# Altium PCB Telemetry Module PCB.PcbDoc (part 2 of 2)
Units mil, origin at the board's own origin, x right, y up, seen from the top; angles counter-clockwise.
Board outline 3149.61 x 3149.61 mil, 2 copper layers (Top Layer, Bottom Layer); 76 components, 75 nets, 422 pads, 173 vias.
Unrouted connection lines stored in the file: 86.
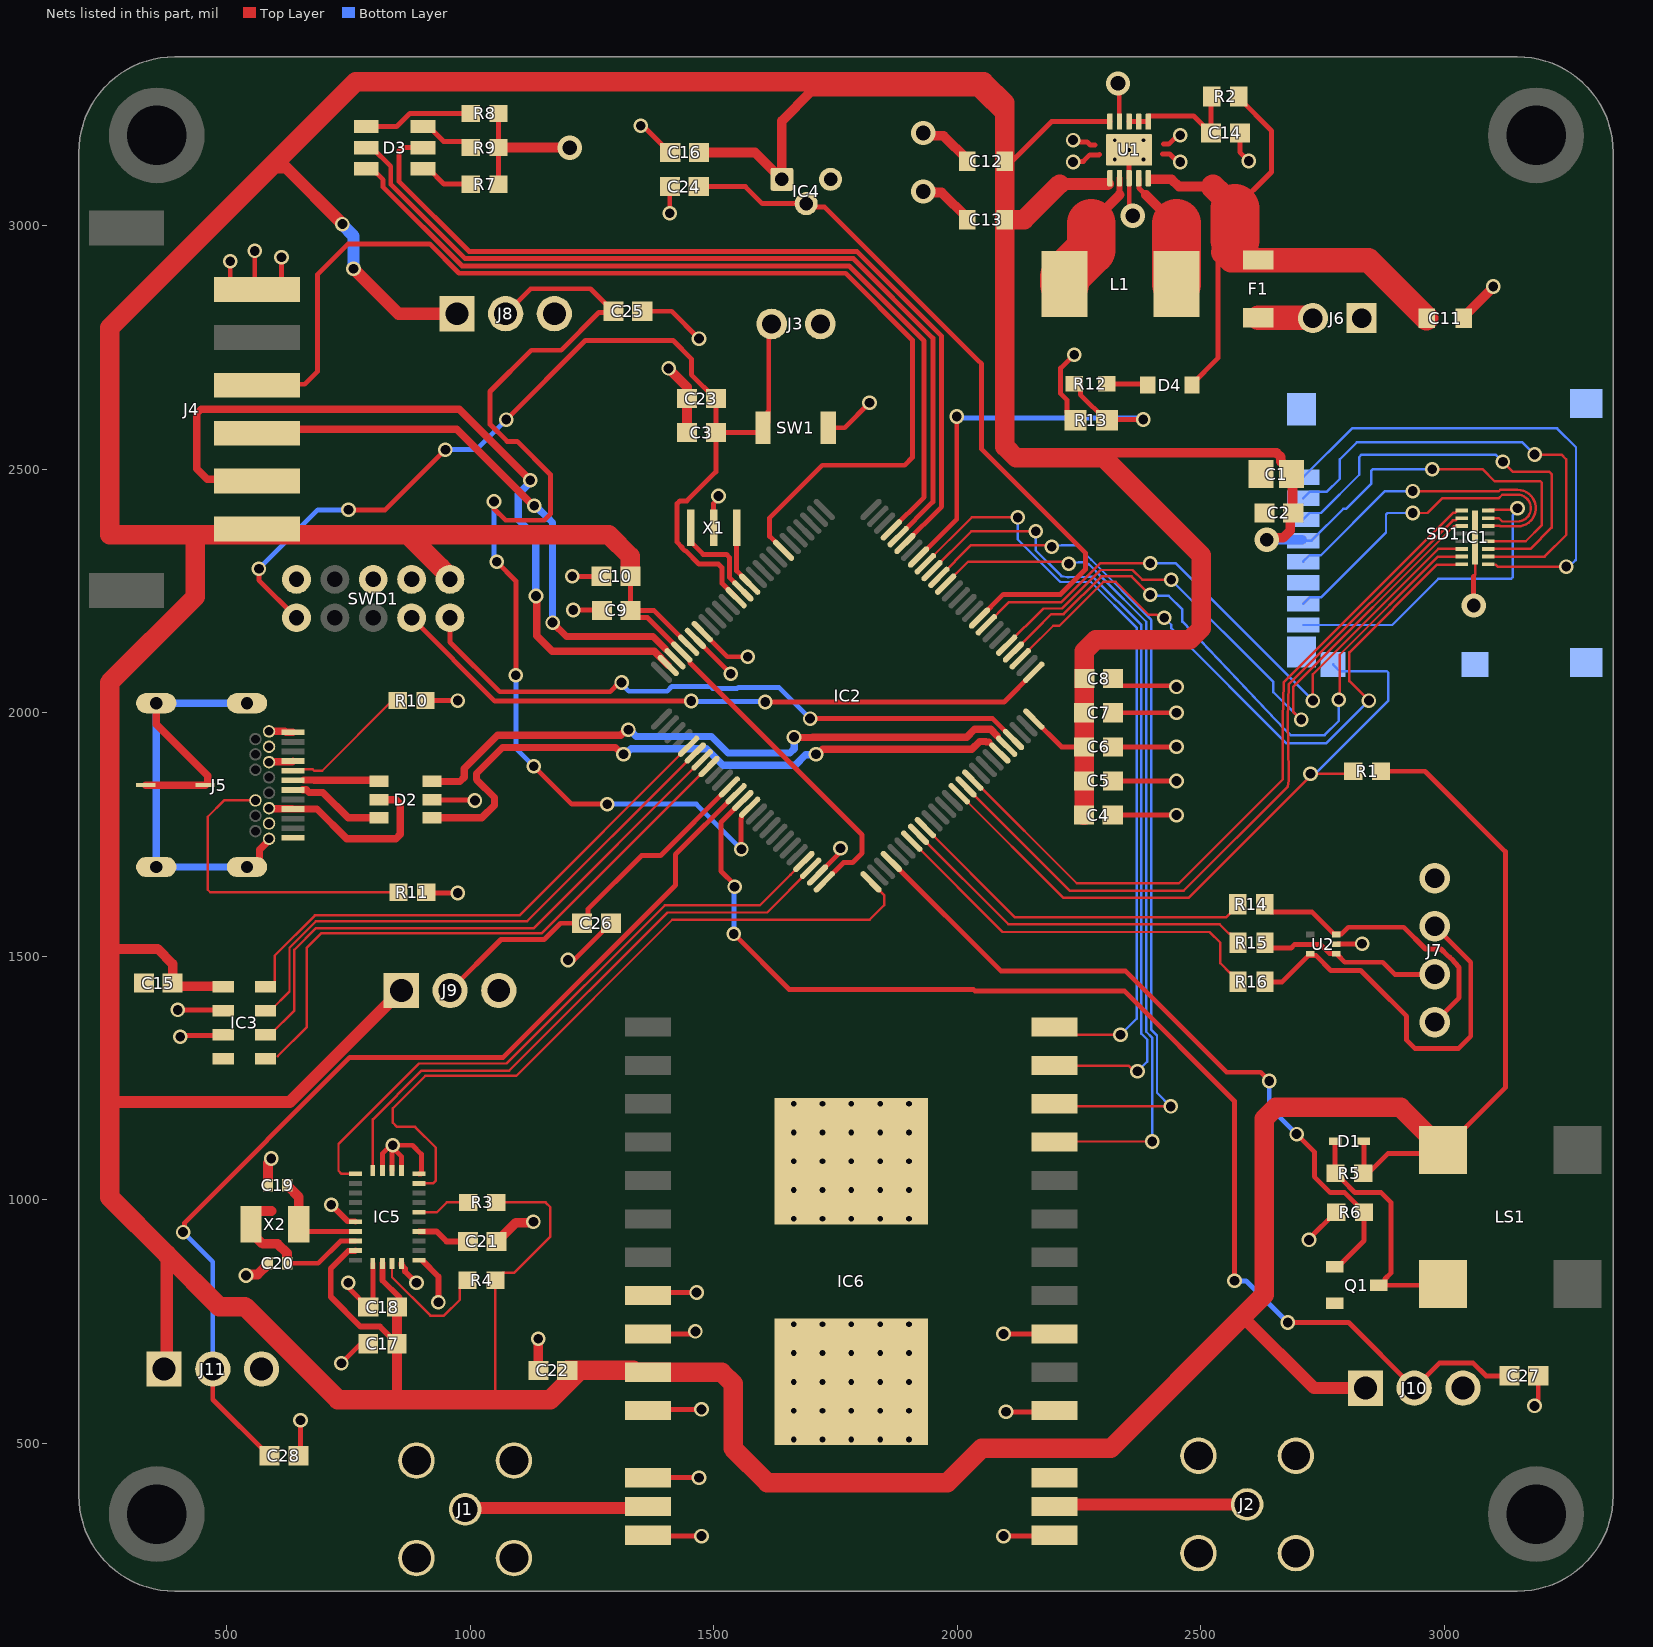
[diagram p2: the nets of this part, all layers, seen from the top]

## Via types
v1: diameter 30, hole 20, Top Layer to Bottom Layer, 111 vias
v2: diameter 19.68, hole 11.81, Top Layer to Bottom Layer, 50 vias
v3: diameter 50, hole 30, Top Layer to Bottom Layer, 5 vias
v4: diameter 19.68, hole 7.87, Top Layer to Bottom Layer, 5 vias
v5: diameter 50, hole 28, Top Layer to Bottom Layer, 2 vias

## Nets (pads, with @x,y where several pads share a name; then routed paths per layer and width w, separated by ;. In a path a pad name is that pad's centre, name@x,y a point inside that pad or via, vN(x,y) a via of type N, cw(c..) or ccw(c..) an arc to the next point about the centre after c; other vN are vias at no path point)
+3V3: C1.2 C2.2 C4.2 C5.2 C6.2 C7.2 C8.2 C9.2 C10.2 C12.2 C13.2 C15.2 C16.2 C17.2 C18.2 C22.2 D1.1 IC1.12 IC2.21 IC2.22 IC2.50 IC2.75 IC3.1 IC4.1 IC5.3 IC5.28 IC6.10 J4.1 J8.1 J9.1 J10.1 J11.1 LS1.1 R1.2 R3.2 R4.2 R5.2 SD1.4 SWD1.1 U1.1 U1.10 | length 19221.3
  Top Layer w5: R3.2@1053.54,995 1155,995 1165,985 1165,925 1090.22,850.22 1067.3,850.22 R4.2@1052.09,835 1052.09,597.91 1060,590 ; v1(2975,2500) 3078.38,2500 3103.38,2475 3197.07,2475 3200,2472.07 3200,2385 3167.01,2352.01 IC1.12@3100,2352.01
  Top Layer w10: C10.2@1329.06,2280 1329.53,2279.53 C9.2@1329.53,2210 ; IC2.21@1448.59,2138.7 1377.29,2210 C9.2@1329.53,2210 ; IC2.50@1726.98,1652.91 1766.79,1692.72 1785.12,1692.72 1804.44,1712.04 1804.44,1749.67 1451.02,2103.08 1451.02,2108.43 IC2.22@1434.67,2124.78 1364.14,2195.31 1344.21,2195.31 C9.2@1329.53,2210 ; C12.2@2100,3120 2193.43,3213.43 U1.10@2313.35,3213.43 ; IC2.75@2157.09,1986.98 2214.07,1930 C6.2@2260.47,1930 ; R5.2@2833.54,1055 2834.53,1055.98 D1.1@2834.53,1120.6 ; R5.2@2838.54,1050 2883.54,1095 2989.41,1095 LS1.1@2997.2,1102.8 3125,1230.59 3125,1715 2960,1880 R1.2@2870,1880
  Top Layer w12: IC5.28@765.04,896.1 763.96,895.02 749.88,895.02 714,859.14 714,801.03 775.03,740 815,740 C17.2@850,705 ; IC5.3@820.16,870.02 820.16,834.84 855,800 855,785 C18.2@850,780
  Top Layer w20: 260,1515 359.06,1515 389.53,1484.53 C15.2@389.53,1445 ; C15.2@380.3,1438.43 IC3.1@490,1438.43 ; 850,590 C17.2@850,705 C18.2@850,780 ; C16.2@1470,3150 1585,3150 IC4.1@1640,3095 1640,3215 1700,3275 2040,3275 2097.64,3217.36 ; 2301,2533.54 2655.31,2533.54 2664.09,2524.76 2664.09,2515.35 2686.5,2492.95 C1.2@2686.5,2490 2688.01,2488.48 2688.01,2408.48 2683.37,2403.85 2683.37,2373.37 2669.05,2359.05 2639.05,2359.05 v5(2635,2355)
  Top Layer w25: 260,1201 630,1201 J9.1@859,1430 ; J11.1@372,653 377.5,658.5 377.5,888.5 ; 589.5,3119.5 621.5,3119.5 v1(738,3003) ; v1(760.86,2911.23) 853.09,2819 J8.1@973,2819 ; 2210,3085 U1.1@2308.88,3085 ; 2585.5,760.5 2732.21,613.79 J10.1@2838,613.79
  Top Layer w40: SWD1.1@958.74,2273.74 958.74,2278.9 939.53,2298.11 939.53,2298.4 872.92,2365 ; C22.2@1199.53,650 1334.68,650 1338.43,646.26 IC6.10@1365.35,646.26 1516.57,646.26 1540,622.83 1540,490 1610,420 1980,420 2050,490 2315,490 2585.5,760.5 2630,805 2630,1166.57 2653.43,1190 2910,1190 LS1.1@2997.2,1102.8 ; 1225,650 1165,590 1060,590 850,590 728.65,590 537.65,781 485,781 377.5,888.5 260,1006 260,1201 260,1515 260,2062 436,2238 436,2365 ; C10.2@1329.06,2280 1328.74,2280.31 1328.74,2321.26 1285,2365 872.92,2365 ; 2210,3085 2137.25,3012.25 C13.2@2097.64,3012.25 ; C4.2@2260,1790 2260.35,1790 2260.94,1790.59 C8.2@2260.94,2070 2260.94,2126.57 2284.38,2150 2477.57,2150 2501,2173.43 2501,2323 2301,2523 2121.07,2523 2097.64,2546.43 C13.2@2097.64,3012.25 ; 436,2365 260,2365 260,2790 589.5,3119.5 765,3295 2054.21,3295 2097.64,3251.57 2097.64,3217.36 C12.2@2097.64,3132.25 C13.2@2097.64,3012.25 ; 436,2365 872.92,2365
  Bottom Layer w5: SD1.4@2708.39,2355 SD1.4@2710,2353.39 2727.32,2353.39 2792.35,2418.42 2798.22,2418.42 2850,2470.2 2850,2497.07 2852.93,2500 v1(2975,2500)
  Bottom Layer w20: v5(2635,2355) SD1.4@2708.39,2355
  Bottom Layer w25: v1(738,3003) 738,3001.65 760.86,2978.78 v1(760.86,2911.23)
+VS: D2.5 J5.4A J5.4B J5.9A J5.9B | length 458.1
  Top Layer w15: J5.4B@587.44,1804.25 588.43,1803.27 635.67,1803.27 J5.9A@636.65,1802.28 686.02,1802.28 746.65,1741.65 847.87,1741.65 856.65,1750.44 856.65,1812.87 847.87,1821.65 D2.5@813.39,1821.65 ; J5.9B@587.44,1898.74 588.43,1899.72 635.67,1899.72 J5.4A@636.65,1900.71
"BATT IN": IC2.93 R12.1 R13.2 | length 861.1
  Top Layer w10: IC2.93@1939.5,2337.5 1999,2397 v1(1999,2608) ; R12.1@2240,2675 2241.97,2675 2252.72,2664.25 2252.72,2652.95 2305.67,2600 R13.2@2307.1,2600 2309.1,2602 v1(2382,2602)
  Bottom Layer w10: v1(1999,2608) 2002,2605 2379,2605 v1(2382,2602)
CLK: IC1.3 IC2.80 | length 1364.7
  Top Layer w5: IC2.80@2101.41,2138.7 2176.71,2214 2215,2214 2294,2293 2360,2293 2380,2273 v1(2439,2273) ; v1(2706,1986) 2692.93,1998.28 2690,2001.21 2690,2005.36 2690,2053.56 3019.14,2382.7 3034.86,2382.7 IC1.3@3035.67,2383.5
  Bottom Layer w5: v1(2439,2273) 2649,2063 2649,2042.14 2678.24,2012.89 2679.11,2012.89 v1(2706,1986)
CMD: IC1.6 IC2.83 | length 1305.8
  Top Layer w5: IC2.83@2059.65,2180.46 2106.19,2227 2213.68,2227 2293.68,2307 v1(2396,2307) ; v1(2730,2025) 2730,2079 2987.26,2336.26 IC1.6@3035.67,2336.26
  Bottom Layer w5: v1(2396,2307) 2448,2307 v1(2730,2025)
D1_N: D2.6 J5.7A | length 181.3
  Top Layer w15: J5.7A@656,1842 663.83,1842 669.49,1836.34 697.65,1836.34 749.73,1784.25 D2.6@813.39,1784.25
D1_P: D2.4 J5.6A | length 156.6
  Top Layer w15: J5.6A@658,1862 679.18,1862 679.84,1861.34 701.34,1861.34 811.1,1861.34 D2.4@813.39,1859.06
D2_N: D2.1 IC2.70 | length 1338.2
  Top Layer w15: D2.1@921.65,1784.25 1024.25,1784.25 1050,1810 1050,1825.96 1013.16,1862.8 1013.16,1875.23 1066.62,1928.68 1298.71,1928.68 1312.39,1915 v1(1315,1915) ; v1(1710,1915) 1714.06,1915 1724.06,1925 2029.99,1925 2045.87,1940.87 2058.29,1940.87 2059.17,1940 2065,1940
  Bottom Layer w15: v1(1315,1915) 1319.06,1915 1330.38,1926.32 1485.4,1926.32 1519.22,1892.5 1667.25,1892.5 1688.36,1913.61 1708.61,1913.61 v1(1710,1915)
D2_P: D2.3 IC2.71 | length 1275.8
  Top Layer w15: D2.3@921.65,1859.06 979.38,1859.06 988.16,1867.84 988.16,1885.58 1056.26,1953.68 1309.62,1953.68 1320.94,1965 v1(1325,1965) ; v1(1665,1950) 1665.81,1949.19 1701.93,1949.19 1702.73,1950 2019.64,1950 2035.51,1965.87 2068.65,1965.87 IC2.71@2082.26,1952.26
  Bottom Layer w15: v1(1325,1965) 1327.61,1965 1341.29,1951.32 1495.76,1951.32 1529.58,1917.5 1656.89,1917.5 1665.68,1926.29 1665.68,1949.32 v1(1665,1950)
DAT0: IC1.2 IC2.65 | length 1543.7
  Top Layer w5: IC2.65@2017.89,1847.78 2230.68,1635 2465,1635 2678.54,1848.54 2680,1860.86 2680,1873.28 2678.5,1985.54 2678.5,1985.99 cw(c2706,1986) 2678.51,1986.58 2680,2057.71 3017.23,2394.94 3022.45,2394.94 3022.5,2394.94 3026.81,2399.25 IC1.2@3035.67,2399.25
DAT1: IC1.1 IC2.66 | length 1523.1
  Top Layer w5: IC2.66@2031.81,1861.7 2033.66,1861.7 2245.36,1650 2455,1650 2668.54,1863.54 2668.54,1867.68 2668.5,1985.94 cw(c2706,1986) 2668.51,1986.82 2670,2061.85 3018.84,2410.69 3022.45,2410.69 3022.5,2410.69 3026.81,2415 IC1.1@3035.67,2415
DAT2: IC1.8 IC2.78 | length 1404.8
  Top Layer w5: v1(2424.86,2195) 2420.08,2199.78 2410.65,2199.78 2409.43,2201 2393,2201 2325,2269 2300,2269 2209.61,2178.61 2197,2178.61 IC2.78@2146.56,2128.17 ; v1(2845,2025) 2805,2065 2805,2124 2985.05,2304.05 3034.95,2304.05 IC1.8@3035.67,2304.76 ; IC2.78@2146.56,2128.17 IC2.78@2129.25,2110.86 IC2.78@2146.56,2128.17
  Bottom Layer w5: v1(2424.86,2195) 2439.12,2180.74 2439.12,2173.88 2676,1937 2757,1937 v1(2845,2025)
DAT3: IC1.7 IC2.79 | length 1367.9
  Top Layer w5: IC2.79@2115.33,2124.78 2159.69,2169.14 2193,2202.45 2218.45,2202.45 2296,2280 2358,2280 v1(2396,2242) ; v1(2783.05,2026.95) 2785,2028.89 2785,2119 2986.51,2320.51 IC1.7@3035.67,2320.51
  Bottom Layer w5: v1(2396,2242) 2397.75,2240.25 2433.75,2240.25 2462,2212 2462,2187.15 2673,1965 2684,1954 2754,1954 2783.05,1983.05 v1(2783.05,2026.95)
GND: C1.1 C2.1 C3.1 C4.1 C5.1 C6.1 C7.1 C8.1 C9.1 C10.1 C11.1 C12.1 C13.1 C14.1 C15.1 C16.1 C17.1 C18.1 C19.1 C20.1 C21.1 C22.1 C23.1 C24.1 C25.1 C26.1 C27.1 C28.1 D2.2 IC1.17 IC2.19 IC2.20 IC2.49 IC3.2 IC3.3 IC4.3 IC5.2 IC5.5 IC5.6 IC5.15 IC5.16 IC5.17 IC5.18 IC5.25 IC6.8 IC6.9 IC6.11 IC6.12 IC6.14 IC6.15 IC6.17 IC6.18 IC6.20 IC6.29 IC6.30 J1.2 J2.2 J3.1 J4.6 J6.1 J7.4 J8.3 J9.3 J10.3 J11.3 Q1.2 R6.1 R7.2 R8.2 R9.2 R10.1 R11.1 R13.1 SD1.6 SD1.10 SD1.11 SD1.12 SD1.13 SD1.14 SW1.2 SWD1.3 SWD1.5 SWD1.9 U1.3 U1.9 U1.11 U2.2 X1.2 | length 5967.5
  Top Layer w5: 3060,2280 3062.83,2282.83 IC1.17@3062.83,2359.88
  Top Layer w10: v1(400,1390) 400.39,1389.61 489.61,1389.61 IC3.2@490,1389.21 ; v1(405,1335) 407.5,1337.5 487.5,1337.5 IC3.3@490,1340 ; v1(507.78,2926.72) 507.78,2889.61 528.37,2869.02 J4.6@562.72,2869.02 ; v1(558,2948) 558,2873.73 J4.6@562.72,2869.02 ; v1(613,2935) 613,2889.61 592.41,2869.02 J4.6@562.72,2869.02 ; C28.1@647.53,475 652,479.47 v1(652,548) ; v1(735.97,665.03) 775.95,705 C17.1@790.94,705 ; v1(750,830) 753.83,826.17 753.83,816.13 789.96,780 C18.1@790.94,780 800.47,789.53 IC5.2@800.47,870.02 ; IC5.18@820.16,1059.98 820.16,1094.84 820,1095 837.27,1112.27 v1(841.47,1112.27) ; IC5.17@839.84,1059.98 839.92,1060.06 839.92,1110.73 v1(841.47,1112.27) ; IC5.16@859.53,1059.98 859.53,1088.8 841.47,1106.86 v1(841.47,1112.27) ; IC5.15@895.45,1053.58 899.92,1053.58 900,1053.66 900,1094.14 881.87,1112.27 v1(841.47,1112.27) ; R10.1@908.54,2025 v1(975,2025) ; R11.1@910.2,1631.65 911.85,1630 v1(975,1630) ; D2.2@921.65,1821.65 922.48,1820.83 1009.17,1820.83 v1(1010,1820) ; R7.2@1058.54,3085 R9.2@1058.54,3160 R8.2@1058.54,3230 R8.2@1060,3231.46 ; v1(1201.03,1492.61) 1213.61,1492.61 C26.1@1289,1568 ; v1(1210,2280) C10.1@1270,2280 ; v1(1212,2211) 1269.47,2211 C9.1@1270.47,2210 ; v1(1350.47,3205) 1354.96,3205 1409.96,3150 C16.1@1410.94,3150 ; C25.1@1353.53,2824 1413.85,2824 v1(1469.85,2768.01) ; IC6.14@1365.35,311.61 1366.97,310 v1(1475,310) ; IC6.12@1365.35,429.72 1365.63,430 v1(1470,430) ; IC6.11@1365.35,567.52 1367.83,570 v1(1475,570) ; IC6.9@1365.35,725 1457.39,725 v1(1462.56,730.18) ; IC6.8@1365.35,803.74 1371.61,810 v1(1465,810) ; v1(1410,3025) 1410,3079.53 C24.1@1410.47,3080 ; IC2.20@1462.51,2152.62 IC2.20@1462.51,2152.62 1535,2080.06 v1(1535,2080) ; IC2.19@1476.43,2166.54 1527.97,2115 v1(1570,2115) ; X1.2@1500,2380 1500,2429.9 1510,2439.9 v1(1510,2445) ; IC2.49@1713.06,1666.83 1756.49,1710.26 1756.49,1718.19 v1(1760.32,1722.02) ; SW1.2@1735,2585 1768.89,2585 v1(1819.98,2636.1) ; v1(2095,310) 2198.39,310 IC6.15@2200,311.61 ; v1(2095,725) IC6.20@2200,725 ; v1(2100,565) 2197.48,565 IC6.18@2200,567.52 ; v1(2237.72,3130.35) 2238.93,3131.57 2258.93,3131.57 2272.36,3145 2291.18,3145 2291.7,3145.51 ; v1(2237.72,3175.35) 2241.55,3171.53 2266.96,3171.53 2273.13,3165.35 2282.72,3165.35 ; v1(2240,2735) 2212.28,2707.28 2212.28,2655.11 2225.55,2641.84 2225.55,2615.91 2241.46,2600 R13.1@2242.9,2600 ; C4.1@2319.06,1790 v1(2450,1790) ; C5.1@2319.53,1860 v1(2450,1860) ; C6.1@2319.53,1930 v1(2450,1930) ; C7.1@2319.53,2000 v1(2450,2000) ; C8.1@2320,2070 2334.69,2055.31 2447.69,2055.31 v1(2450,2053) ; v3(2329.99,3291.7) 2332.52,3289.17 2332.52,3213.94 U1.9@2333.03,3213.43 ; v4(2352.72,3155.35) U1.3@2352.72,3097.28 2353.03,3096.97 2353.03,3026.97 v3(2360,3020) ; 2421.26,3146.78 2435.88,3146.78 2452.31,3130.35 v1(2457.72,3130.35) ; 2423.53,3167.25 2434.2,3167.25 2452.31,3185.35 v1(2457.72,3185.35) ; C14.1@2580,3190 2580,3150.77 v1(2598.3,3132.47) ; v1(2722,918) 2722,920.07 2776.93,975 R6.1@2777.91,975 ; U2.2@2781.43,1525 2781.43,1525.5 2830.5,1525.5 v1(2831,1526) ; v5(3060,2220) 3060,2280 ; v1(3184.94,577.31) 3184.94,582.72 3192.53,590.31 C27.1@3192.53,639
  Top Layer w12: v1(715,990) 748.76,956.24 763.96,956.24 IC5.25@765.04,955.16 ; IC5.5@859.53,870.02 859.53,865.78 866.67,858.64 866.67,853.33 v1(890,830) ; IC5.6@902.74,875.34 935,843.08 v1(935,790)
  Top Layer w20: v1(540,845) 541.91,846.91 564.2,846.91 585.32,868.03 C20.1@585.32,870 ; C19.1@585.32,1030 585.32,1075.61 592,1082.29 v1(592,1085) ; C21.1@1054.53,915 1055.51,915 1093.6,953.09 1128.09,953.09 v1(1130,955) ; R9.2@1058.54,3160 v3(1205,3160) ; v1(1140,715) 1140.24,714.76 1140.24,650.24 C22.1@1140.47,650 ; v1(1407.5,2706.81) 1445.47,2668.84 C23.1@1445.47,2645 C3.1@1445.47,2575 ; v3(1930,3190) 1935.74,3184.26 1971.82,3184.26 2020.87,3135.21 C12.1@2020.87,3132.25 ; v3@1950,3070 1951.91,3068.09 1967.99,3068.09 2020.87,3015.21 C13.1@2020.87,3012.25 ; C11.1@3040,2810 3040,2812.95 3100,2872.95 v1(3100,2875)
  other v2: 1664.57,508.46 1723.62,508.46 1782.68,508.46 1841.73,508.46 1900.79,508.46 1664.57,567.52 1723.62,567.52 1782.68,567.52 1841.73,567.52 1900.79,567.52 1664.57,626.57 1723.62,626.57 1782.68,626.57 1841.73,626.57 1900.79,626.57 1664.57,685.63 1723.62,685.63 1782.68,685.63 1841.73,685.63 1900.79,685.63 1664.57,744.68 1723.62,744.68 1782.68,744.68 1841.73,744.68 1900.79,744.68 1664.57,961.22 1723.62,961.22 1782.68,961.22 1841.73,961.22 1900.79,961.22 1664.57,1020.28 1723.62,1020.28 1782.68,1020.28 1841.73,1020.28 1900.79,1020.28 1664.57,1079.33 1723.62,1079.33 1782.68,1079.33 1841.73,1079.33 1900.79,1079.33 1664.57,1138.39 1723.62,1138.39 1782.68,1138.39 1841.73,1138.39 1900.79,1138.39 1664.57,1197.44 1723.62,1197.44 1782.68,1197.44 1841.73,1197.44 1900.79,1197.44
  other v3: 1930,3070
  other v4: 2323.19,3135.67 2382.25,3135.67 2323.19,3175.04 2382.25,3175.04
NetC3_2: C3.2 C23.2 IC2.14 J3.2 SW1.1 SWD1.10 | length 2178.7
  Top Layer w10: v1(566.58,2295.76) 566.58,2272.2 SWD1.10@643.78,2195 ; v1(750.47,2416.52) 825.94,2416.52 v1(949.45,2540.02) ; v1(1074.32,2601.77) 1236.55,2764 1417,2764 1454.39,2726.61 1454.39,2694.15 1503.54,2645 C23.2@1504.53,2645 C3.2@1504.53,2575 ; IC2.14@1546.03,2236.14 1546.03,2236.63 1517.07,2265.58 1517.07,2297.93 1510,2305 1470,2305 1442.4,2332.6 1440.74,2332.6 1434.88,2338.46 1434.88,2340.12 1425,2350 1425,2429.14 1430.86,2435 1445,2435 1504.53,2494.53 C3.2@1504.53,2575 ; J3.2@1619,2798 1613,2792 1613,2619.32 1611.89,2618.21 1611.89,2595.75 1591.14,2575 C3.2@1504.53,2575
  Bottom Layer w10: v1(566.58,2295.76) 687.34,2416.52 v1(750.47,2416.52) ; v1(949.45,2540.02) 1012.57,2540.02 v1(1074.32,2601.77)
NetC11_2: C11.2 D4.2 F1.2 R2.2 U1.5 | length 1363.8
  Top Layer w10: D4.2@2481.75,2672.52 2481.75,2674.49 2535,2727.73 2535,2934.9 2545.55,2945.45 2570,2969.9 ; 2570,3035 2645,3110 2645,3194.61 2577.56,3262.05 R2.2@2577.56,3265
  Top Layer w20: 2400,3095 2440,3095 2455,3080 2525,3080 ; 2540.81,3064.19 2570,3035
  Top Layer w50: 2525,3080 2540.81,3064.19 ; 2545.55,2945.45 2561.95,2929.05 F1.2@2618,2929.06 ; 2570,2969.9 2575.97,2969.9 ; F1.2@2616.82,2929.06 2844.17,2929.06 C11.2@2963.23,2810
  Top Layer w100: 2570,2969.9 2570,3035
NetC14_2: C14.2 R2.1 U1.6 U1.7 U1.8 | length 269.6
  Top Layer w10: U1.8@2352.72,3213.43 U1.7@2372.4,3213.43 U1.6@2392.09,3213.43 2392.09,3224.49 2392.6,3225 2484.96,3225 2519.96,3190 C14.2@2520.94,3190 2520.94,3263.5 R2.1@2522.44,3265
NetC19_2: C19.2 IC5.26 X2.1 | length 213.6
  Top Layer w10: X2.1@648.43,950 662.95,935.47 IC5.26@765.04,935.47
  Top Layer w20: C19.2@624.69,1030 624.69,1028.03 625.32,1027.4 627.28,1027.4 648.43,1006.26 X2.1@648.43,950
NetC20_2: C20.2 IC5.27 X2.2 | length 351.2
  Top Layer w10: C20.2@624.69,870 688.43,870 734.21,915.79 IC5.27@765.04,915.79
  Top Layer w20: 592.4,977.4 561.65,977.4 550,965.75 550,934.25 574.25,910 605,910 624.06,890.94 624.06,870.63 C20.2@624.69,870
NetC21_2: C21.2 IC5.9 | length 108.5
  Top Layer w12: IC5.9@895.45,935.47 931,935.47 951.47,915 C21.2@995.47,915
NetC24_2: C24.2 IC2.84 IC4.2 | length 1500
  Top Layer w10: C24.2@1469.53,3080 1565.06,3080 1600.06,3045 IC4.2@1690,3045 1697.13,3037.87 1728.13,3037.87 2042.38,2723.62 2049.97,2716.03 2049.97,2704.03 ; IC2.84@2045.73,2194.38 2094.35,2243 2212,2243 2263,2294 2263,2328 2050,2541 2050,2704
NetC25_2: C25.2 IC2.39 J8.2 | length 2210.5
  Top Layer w10: v1(1049.15,2433.61) 1049.15,2418.85 1073,2395 1152.43,2395 1165,2407.57 1165,2489 1097,2557 1076,2557 1041,2592 1041,2659.33 1125.67,2744 1187,2744 1264.66,2821.66 1291.15,2821.66 1293.49,2824 1247.27,2870.22 1124.22,2870.22 J8.2@1073,2819 ; v1(1054.71,2309.73) 1094,2270.44 v1(1094,2077) ; v1(1131,1890) 1208.66,1812.34 v1(1281.85,1812.34) ; v1(1557,1720) 1555.87,1721.13 1555.87,1782.69 1557.51,1784.33 1557.51,1789.67 IC2.39@1573.86,1806.03
  Bottom Layer w10: v1(1049.15,2433.61) 1049.15,2315.3 v1(1054.71,2309.73) ; v1(1094,2077) 1094,1927 v1(1131,1890) ; v1(1281.85,1812.34) 1464.66,1812.34 v1(1557,1720)
NetC26_2: C26.2 IC2.36 J9.2 | length 756.1
  Top Layer w10: J9.2@959,1430 1063.5,1534.5 1152.18,1534.5 1185.68,1568 C26.2@1229.94,1568 1241.83,1579.88 1241.83,1596.83 1352.06,1707.06 1391.38,1707.06 IC2.36@1532.11,1847.78
NetC27_2: C27.2 IC2.38 J10.2 | length 2531.7
  Top Layer w10: v1(1541,1546) 1655,1432 2033,1432 2036,1429 2343,1429 2569,1203 v1(2569,834) ; v1(1543,1643) 1543,1646.86 1515,1674.86 1515,1775 IC2.38@1559.94,1819.94 ; v1(2678.11,748.52) 2803.27,748.52 J10.2@2938,613.79 2989.22,665.01 3059.22,665.01 3085.22,639 C27.2@3133.47,639
  Bottom Layer w10: v1(1541,1546) 1542,1547 1542,1642 v1(1543,1643) ; v1(2569,834) 2592.63,834 v1(2678.11,748.52)
NetC28_2: C28.2 IC2.37 J11.2 | length 2087.4
  Top Layer w10: v1(411,934) 414.12,937.12 414.12,953.3 753.32,1292.5 1068,1292.5 1421.74,1646.25 1421.74,1709.58 IC2.37@1546.03,1833.86 ; J11.2@472,653 472,590.49 587.49,475 C28.2@588.47,475
  Bottom Layer w10: v1(411,934) 472,873 J11.2@472,653
NetD1_2: D1.2 LS1.2 Q1.3 R5.1 | length 515.2
  Top Layer w10: D1.2@2775.47,1120.6 2775.47,1055.98 R5.1@2776.46,1055.98 ; R5.1@2776.46,1055 2777.44,1055 2790.16,1042.28 2790.16,1041.3 2816.46,1015 2870,1015 2890,995 2890,849.72 2877.99,837.72 2877.99,831.81 Q1.3@2871.18,825 ; Q1.3@2865.28,825 Q1.3@2871.18,825 ; LS1.2@2997.2,827.2 2995,825 Q1.3@2871.18,825
NetD3_1: D3.1 R7.1 | length 111.5
  Top Layer w10: D3.1@903.07,3116.69 914.88,3116.69 946.58,3085 R7.1@1001.46,3085
NetD3_2: D3.2 IC2.95 | length 1817.2
  Top Layer w10: D3.2@903.07,3160 859.86,3160 854,3154.14 854,3090.75 997.75,2947 1794,2947 1968,2773 1968,2422.87 IC2.95@1892.62,2347.49
NetD3_3: D3.3 R9.1 | length 117.3
  Top Layer w10: D3.3@903.07,3203.31 914.88,3203.31 945.47,3172.72 988.74,3172.72 R9.1@1001.46,3160 R9.1@1000.47,3160
NetD3_4: D3.4 R8.1 | length 224.6
  Top Layer w10: D3.4@786.93,3203.31 849.56,3203.31 876.25,3230 R8.1@1000.47,3230
NetD3_5: D3.5 IC2.96 | length 1783.8
  Top Layer w10: D3.5@786.93,3160 798.74,3160 837.32,3121.42 837.32,3084.46 989.79,2932 1787,2932 1950,2769 1950,2432.71 IC2.96@1878.7,2361.41
NetD3_6: D3.6 IC2.97 | length 1715.8
  Top Layer w10: D3.6@786.93,3116.69 798.74,3116.69 821.66,3093.77 821.66,3078.91 983.57,2917 1778,2917 1932,2763 1932,2442.55 IC2.97@1864.78,2375.33
NetD4_1: D4.1 R12.2 | length 85.3
  Top Layer w10: R12.2@2306.93,2675 2388.72,2675 D4.1@2391.2,2672.52
NetF1_1: F1.1 J6.2 | length 112.4
  Top Layer w50: F1.1@2618,2810.94 2618.52,2810.42 2729.48,2810.42 J6.2@2730,2809.9
NetIC1_9: IC1.9 SD1.1 | length 1021.8
  Top Layer w5: 3105,2304.07 3109.07,2300 v1(3250,2300)
  Bottom Layer w5: SD1.1@2710,2483.31 2810.48,2583.78 3231.22,2583.78 3270,2545 3270,2312.93 3268.89,2312.93 3255.96,2300 v1(3250,2300)
NetIC1_10: IC1.10 SD1.2 | length 959
  Top Layer w5: IC1.10@3090,2320.51 3205.51,2320.51 3250,2365 3250,2520 3240,2530 v1(3185,2530)
  Bottom Layer w5: SD1.2@2710,2440 2723.25,2453.25 2758.25,2453.25 2785,2480 2785,2520 2820,2555 3160,2555 v1(3185,2530)
NetIC1_11: IC1.11 SD1.3 | length 861.3
  Top Layer w5: IC1.11@3090,2336.26 3176.26,2336.26 3220,2380 3220,2490 3215,2495 3140,2495 v1(3120,2515)
  Bottom Layer w5: SD1.3@2710,2396.69 2723.25,2409.94 2746.44,2409.94 2825,2488.5 2825,2525 2830,2530 3105,2530 v1(3120,2515)
NetIC1_14: IC1.14 SD1.5 | length 858.2
  Top Layer w5: v1(2935,2455) 3111.97,2455 3114.47,2457.5 ; IC1.14@3100,2383.5 3113.46,2383.5 3114.47,2382.5 ; 3114.47,2382.5 3150,2382.5 ; 3114.47,2382.5 3150,2382.5 ; 3114.47,2457.5 3150,2457.5 ; 3114.47,2457.5 3150,2457.5 ; 3150,2382.5 ccw(c3150,2420) 3150,2457.5 ; 3150,2382.5 ccw(c3150,2420) 3150,2457.5
  Bottom Layer w5: SD1.5@2710,2310.08 2723.25,2323.33 2746.44,2323.33 2878.11,2455 v1(2935,2455)
NetIC1_15: IC1.15 SD1.7 | length 852.7
  Top Layer w5: v1(2935,2410) 2965,2410 2995,2440 3111.11,2440 3118.61,2447.5 ; IC1.15@3090,2399.25 3108.66,2399.25 3111.86,2399.25 3118.61,2392.5 ; 3118.61,2392.5 3150,2392.5 ; 3118.61,2392.5 3150,2392.5 ; 3118.61,2447.5 3150,2447.5 ; 3118.61,2447.5 3150,2447.5 ; 3150,2392.5 ccw(c3150,2420) 3150,2447.5 ; 3150,2392.5 ccw(c3150,2420) 3150,2447.5
  Bottom Layer w5: SD1.7@2710,2223.46 2723.25,2236.71 2746.44,2236.71 2880,2370.28 2880,2407.07 2882.93,2410 v1(2935,2410)
NetIC1_16: IC1.16 SD1.8 | length 690.1
  Top Layer w5: IC1.16@3100.3,2415.74 IC1.16@3090,2415 3091.44,2416.44 3146.44,2416.44 v1(3150,2420) v1@3149.35,2419.25
  Bottom Layer w5: SD1.8@2710,2180.16 2892.86,2180.16 2987.71,2275 3137.07,2275 3140,2277.93 3140,2404.57 3150,2414.57 v1(3150,2420)
NetIC2_33: IC2.33 IC3.4 IC3.5 | length 1205.7
  Top Layer w5: 605,1295 665,1355 665,1518 694,1547 1147,1547 IC2.33@1475,1875
NetIC2_47: IC2.47 IC5.20 | length 1288
  Top Layer w5: IC5.20@765.04,1053.58 736.42,1053.58 730,1060 730,1115 768.93,1153.93 895,1280 1075,1280 1400,1605 1595,1605 1657.39,1667.39 1657.94,1667.39 IC2.47@1685.22,1694.67
NetIC2_48: IC2.48 IC5.19 | length 1240.4
  Top Layer w5: IC5.19@800.47,1059.98 800.47,1165.47 900.45,1265.45 1080.45,1265.45 1405,1590 1610,1590 1699.14,1679.14 IC2.48@1699.14,1680.75 IC2.48@1683.65,1665.26
NetIC2_51: IC2.51 IC5.14 | length 1484.1
  Top Layer w5: IC5.14@895.45,1033.9 923.9,1033.9 930,1040 930,1107.07 887.07,1150 850,1150 841.21,1158.79 841.21,1187.93 908.28,1255 1095,1255 1415,1575 1820,1575 1850,1605 1850,1625.93 IC2.51@1823.02,1652.91
NetIC2_54: IC2.54 Q1.1 R6.2 | length 1470.8
  Top Layer w10: IC2.54@1864.78,1694.67 2089.41,1470.04 2344.96,1470.04 2553,1262 2622.74,1262 v1(2640.48,1244.26) ; v1(2696.54,1135.21) 2733.13,1098.61 2733.13,1047.77 2765.9,1015 2795,1015 2821.3,988.7 2821.3,987.72 2834.02,975 R6.2@2835,975 2835,916.77 2780.63,862.4 Q1.1@2774.72,862.4
  Bottom Layer w10: v1(2640.48,1244.26) 2640.48,1191.26 v1(2696.54,1135.21)
NetIC2_57: IC2.57 R16.1 | length 815.8
  Top Layer w5: IC2.57@1906.54,1736.43 2092.97,1550 2518,1550 2540,1528 2540,1485.78 2559.61,1466.17 2561.22,1466.17 2576.44,1450.95 R16.1@2576.44,1448
NetIC2_58: IC2.58 R15.1 | length 749.8
  Top Layer w5: IC2.58@1920.46,1750.35 2104.91,1565.89 2538.55,1565.89 2558.27,1546.17 2561.22,1546.17 2576.44,1530.95 R15.1@2576.44,1528
NetIC2_59: IC2.59 R14.1 | length 730.9
  Top Layer w5: IC2.59@1934.38,1764.27 2118.65,1580 2551.95,1580 2576,1604.05 R14.1@2576,1607
NetIC2_64: IC2.64 R1.1 SD1.9 | length 1408.1
  Top Layer w5: IC2.64@2003.97,1833.86 2217.84,1620 2475,1620 2725,1870 v1(2725,1875) 2807.91,1875 R1.1@2812.91,1880
  Bottom Layer w5: v1(2725,1875) 2729.78,1879.78 2739.78,1879.78 2885,2025 2885,2082.07 2882.07,2085 2785.67,2085 SD1.9@2771.42,2099.25
NetIC2_72: IC2.72 SWD1.2 | length 1316.6
  Top Layer w10: SWD1.2@958.74,2195 958.74,2145.26 1061,2043 1287.57,2043 1306.57,2062 v1(1311,2062) ; v1(1698,1988) 2072.55,1988 IC2.72@2115.33,1945.22
  Bottom Layer w10: v1(1311,2062) 1311,2059 1326,2044 1404.52,2044 1414.52,2054 1493.04,2054 1497.04,2050 1548.51,2050 1550.51,2052 1634,2052 v1(1698,1988)
NetIC2_76: IC2.76 SWD1.4 | length 1374
  Top Layer w10: SWD1.4@880,2195 1051,2024 v1(1454,2024) ; v1(1606,2022) 2096.07,2022 IC2.76@2157.09,2083.02
  Bottom Layer w10: v1(1454,2024) 1455,2023 1605,2023 v1(1606,2022)
NetIC2_89: IC2.89 IC6.25 | length 1755.9
  Top Layer w5: IC2.89@1976.14,2263.97 2022.16,2310 2224.57,2310 v1(2228.79,2305.79) ; IC6.25@2200,1118.7 2201.3,1120 v1(2400,1120)
  Bottom Layer w5: v1(2228.79,2305.79) 2249.64,2309 2265.86,2309 2270.88,2303.98 2298,2276.86 2388,2186.86 2388,1345.28 2400,1333.28 v1(2400,1120)
NetIC2_90: IC2.90 IC6.26 | length 1783.8
  Top Layer w5: IC2.90@1962.22,2277.89 2028.32,2344 2190.57,2344 v1(2193.79,2340.79) ; IC6.26@2200,1197.44 2205.44,1192 v1(2438,1192)
  Bottom Layer w5: v1(2193.79,2340.79) 2214.64,2344 2245,2344 2274.98,2314.02 2397.6,2191.4 ccw(c2424.86,2195) 2398,2189.1 2398,1349.43 2399.46,1347.96 2410,1337.43 2410,1220 v1(2438,1192)
NetIC2_91: IC2.91 IC6.27 | length 1669.7
  Top Layer w5: IC2.91@1948.3,2291.81 2028.91,2372.43 v1(2161.01,2372.43) ; IC6.27@2200,1276.18 2201.18,1275 2352.24,1275 2363.24,1264 v1(2370,1264)
  Bottom Layer w5: v1(2161.01,2372.43) 2161.01,2333.14 2213.68,2280.46 2224.17,2278.68 ccw(c2228.79,2305.79) 2229.32,2278.29 2265.72,2279 2279,2279 2378,2180 2378,1341.14 2390,1329.14 2390,1284 v1(2370,1264)
NetIC2_92: IC2.92 IC6.28 | length 1584.3
  Top Layer w5: IC2.92@1934.38,2305.73 2029.64,2401 v1(2124,2401) ; IC6.28@2200,1354.92 2215.92,1339 v1(2335,1339)
  Bottom Layer w5: v1(2124,2401) 2124,2369 2124,2356 2211,2269 2227.21,2268.32 ccw(c2228.79,2305.79) 2229.44,2268.29 2269.86,2269 2274,2269 2368,2175 2368,1372 v1(2335,1339)
NetIC5_4: IC5.4 R4.1 | length 261.1
  Top Layer w5: IC5.4@839.84,870.02 839.84,841.27 918.61,762.5 946.39,762.5 978.8,794.91 978.8,819.78 994.02,835 R4.1@995,835
NetIC5_11: IC5.11 R3.1 | length 109.4
  Top Layer w5: IC5.11@895.45,974.84 931.96,974.84 952.12,995 R3.1@996.46,995
NetIC6_13: IC6.13 J1.1 | length 377.7
  Top Layer w25: J1.1@990,365 992.83,367.83 1362.52,367.83 IC6.13@1365.35,370.67
NetIC6_16: IC6.16 J2.1 | length 396.8
  Top Layer w25: IC6.16@2200,370.67 2204.33,375 J2.1@2595,375
NetJ5_0: J5.0 J5.1A J5.1B J5.12A J5.12B | length 1179.5
  Top Layer w15: J5.0@334.29,1851.5 J5.0@456.34,1851.5 456.5,1851.5 461.65,1856.65 461.65,1870.73 355.95,1976.44 J5.0@355.95,2019.61 ; J5.0@542.17,1683.39 555.71,1683.39 567.87,1695.55 567.87,1718.83 587.44,1738.39 J5.1B@587.44,1741.26 ; J5.12B@587.44,1961.73 620.16,1961.73 622.13,1959.76 J5.1A@636.65,1959.76
  Bottom Layer w15: J5.0@542.17,1683.39 J5.0@355.95,1683.39 J5.0@355.95,2019.61 J5.0@542.17,2019.61
NetJ5_5A: J5.5A R10.2 | length 269.2
  Top Layer w5: J5.5A@636.65,1881.02 641.7,1881.02 644.67,1884 676.98,1884 679.96,1881.02 696.5,1881.02 842.13,2026.65 R10.2@843.11,2026.65
NetJ5_5B: J5.5B R11.2 | length 655.2
  Top Layer w5: J5.5B@559.49,1820 495,1820 461.65,1786.65 461.65,1636.65 466.65,1631.65 R11.2@853.11,1631.65
NetJ7_1: J7.1 R14.2 U2.3 | length 599.4
  Top Layer w10: R14.2@2631.12,1607 2631.12,1604.05 2643.83,1591.33 2727.98,1591.33 2773.72,1545.59 2788.59,1545.59 2802.68,1559.68 2916.41,1559.68 2961.09,1515 2993,1515 3005.44,1502.56 3006.08,1501.92 cw(c2980,1463.43) 3014.33,1494.78 3014.37,1494.74 3030,1477.68 3030,1415 J7.1@2980,1365
NetJ7_2: J7.2 R15.2 U2.1 | length 382.4
  Top Layer w10: R15.2@2636,1517 2685,1517 2692,1524 2746,1524 2763.78,1506.22 2776.67,1506.22 U2.1@2777.58,1505.32 2780.53,1505.32 2781.43,1504.41 2781.43,1501.86 2795.29,1488 2873,1488 2898,1463 2979.57,1463 J7.2@2980,1463.43 J7.2@2980,1472
NetJ7_3: J7.3 R16.2 U2.5 | length 819.5
  Top Layer w10: R16.2@2631.56,1448 2631.98,1447.58 2666.69,1447.58 2720.57,1501.46 2724.43,1501.46 2736.55,1501.46 2767,1471 2828.22,1471 2858.09,1441.13 2922.27,1376.95 2922.27,1327.73 2939,1311 3029,1311 3054,1336 3054,1487.85 J7.3@2980,1561.85
NetL1_1: L1.1 U1.4 | length 204.9
  Top Layer w10: U1.4@2372.4,3097.28 2372.92,3096.77 2372.92,3077.08 2387.5,3062.5
  Top Layer w20: 2387.5,3062.5 2415,3035
  Top Layer w100: L1.1@2450,2880 2450,3005
NetL1_2: L1.2 U1.2 | length 264.1
  Top Layer w12: 2333.03,3063.03 U1.2@2333.03,3097.28
  Top Layer w20: 2275,3005 2333.03,3063.03
  Top Layer w100: L1.2@2220,2880 2220,2895 2275,2950 2275,3005
OSC_IN: IC2.12 X1.1 | length 127.1
  Top Layer w10: X1.1@1547.24,2380 1547.24,2291.08 1573.86,2264.46 IC2.12@1573.86,2263.97
OSC_OUT: IC2.13 X1.3 | length 202.6
  Top Layer w10: X1.3@1452.76,2380 1452.76,2350.47 1455.63,2347.6 1455.91,2347.6 1478.51,2325 1526.39,2325 1532.24,2319.14 1532.24,2277.76 IC2.13@1559.94,2250.06
Rx: IC2.24 J4.2 | length 1636.5
  Top Layer w15: J4.2@562.72,2475.32 558.45,2479.58 460.42,2479.58 439,2501 439,2614.21 447.79,2623 977.96,2623 v1(1123.55,2477.41) ; v1(1135.43,2239.57) 1136.87,2238.13 1136.87,2158.13 1169,2126 1377.77,2126 IC2.24@1406.83,2096.94
  Bottom Layer w15: v1(1123.55,2477.41) 1123.55,2473.35 1099,2448.8 1099,2396.76 1135,2360.76 1135,2240 v1(1135.43,2239.57)
SCK: IC2.30 IC3.8 | length 1105.1
  Top Layer w5: IC3.8@580,1437.64 589.84,1437.64 599.15,1446.95 599.15,1501.65 681.5,1584 1101.29,1584 IC2.30@1448.59,1931.3
SDI: IC2.31 IC3.7 | length 1154.2
  Top Layer w5: IC3.7@580,1388.42 589.84,1388.42 629.4,1427.98 629.4,1517.75 683.64,1572 1117.13,1572 IC2.31@1462.51,1917.38
SDO: IC2.32 IC3.6 | length 1213.1
  Top Layer w5: IC3.6@566.77,1340 IC3.6@576.61,1340 ; IC3.6@580,1339.21 589.84,1339.21 639.4,1388.77 639.4,1513.61 683.79,1558 1130.97,1558 IC2.32@1476.43,1903.46
Tx: IC2.23 J4.3 | length 1150.5
  Top Layer w15: J4.3@562.72,2573.74 570.98,2582 973,2582 1130.85,2424.15 v1(1131.7,2425) ; v1(1169.37,2185) 1197.79,2156.58 1375.48,2156.58 IC2.23@1401.03,2131.03
  Bottom Layer w15: v1(1131.7,2425) 1131.7,2423.3 1135,2420 1139.06,2420 1157.91,2401.15 1158.58,2401.15 1169.18,2390.55 1169.18,2185.18 v1(1169.37,2185)
WAKE: IC2.7 J4.4 | length 2327.5
  Top Layer w10: J4.4@562.72,2672.17 564.73,2674.18 660.44,2674.18 687,2700.74 687,2900 749,2962 770.21,2962 770.47,2962.25 917.11,2962.25 977.36,2902 1771,2902 1908,2765 1908,2523.86 1892.14,2508 1723,2508 1615,2400 1615,2362.03 IC2.7@1643.46,2333.57
pads on no net: IC1.4 IC1.5 IC1.13 IC2.1 IC2.2 IC2.3 IC2.4 IC2.5 IC2.6 IC2.8 IC2.9 IC2.10 IC2.11 IC2.15 IC2.16 IC2.17 IC2.18 IC2.25 IC2.26 IC2.27 IC2.28 IC2.29 IC2.34 IC2.35 IC2.40 IC2.41 IC2.42 IC2.43 IC2.44 IC2.45 IC2.46 IC2.52 IC2.53 IC2.55 IC2.56 IC2.60 IC2.61 IC2.62 IC2.63 IC2.67 IC2.68 IC2.69 IC2.73 IC2.74 IC2.77 IC2.81 IC2.82 IC2.85 IC2.86 IC2.87 IC2.88 IC2.94 IC2.98 IC2.99 IC2.100 IC5.1 IC5.7 IC5.8 IC5.10 IC5.12 IC5.13 IC5.21 IC5.22 IC5.23 IC5.24 IC6.1 IC6.2 IC6.3 IC6.4 IC6.5 IC6.6 IC6.7 IC6.19 IC6.21 IC6.22 IC6.23 IC6.24 J4.5 J4.7 J4.8 J5.2A J5.2B J5.3A J5.3B J5.6B J5.7B J5.8A J5.8B J5.10A J5.10B J5.11A J5.11B LS1.0 SWD1.6 SWD1.7 SWD1.8 U2.4
copper on no net: | length 2.6
  Top Layer w15: 585.38,1836.95 586.24,1836.95 587.44,1835.75

## Polygon pours and split planes (outlines as drawn)
GND on Bottom Layer "GND_L02_P000" (solid, pour order 0): 210,3177 367,3334 3188,3334 3332,3190 3332,349 3194,211 356,211 211,356

## Silkscreen, mask and mechanical layers (free items; w line width, h text height)
Top Overlay:
  text "BATT IN" at 2970,2905 h60 r90
  text "5V+ MAX" at 3060,2905 h60 r90
  text "+  -" at 2675,2685 h60
  text "RESET" at 1540,2660 h60
  text "TEMP1" at 932,2624 h60
  text "GNSS" at 755,2520 h60 r90
  text "PROG" at 687,2070 h60
  text "Flight" at 3001,1899.99 h60
  text "Com" at 2996,1804 h60
  text "ELEC5551 Team 15" at 1331,1459 h60
  text "TEMP3" at 819,1226 h60
  text "TEMP4" at 292,532 h60 r90
  text "TEMP2" at 2797,415 h60
  text "LoRa 915MHz" at 1589,217 h40
Board Shape:
  the board outline again, w10